# Altium PCB PCB3.PcbDoc (part 1 of 8) (continued)
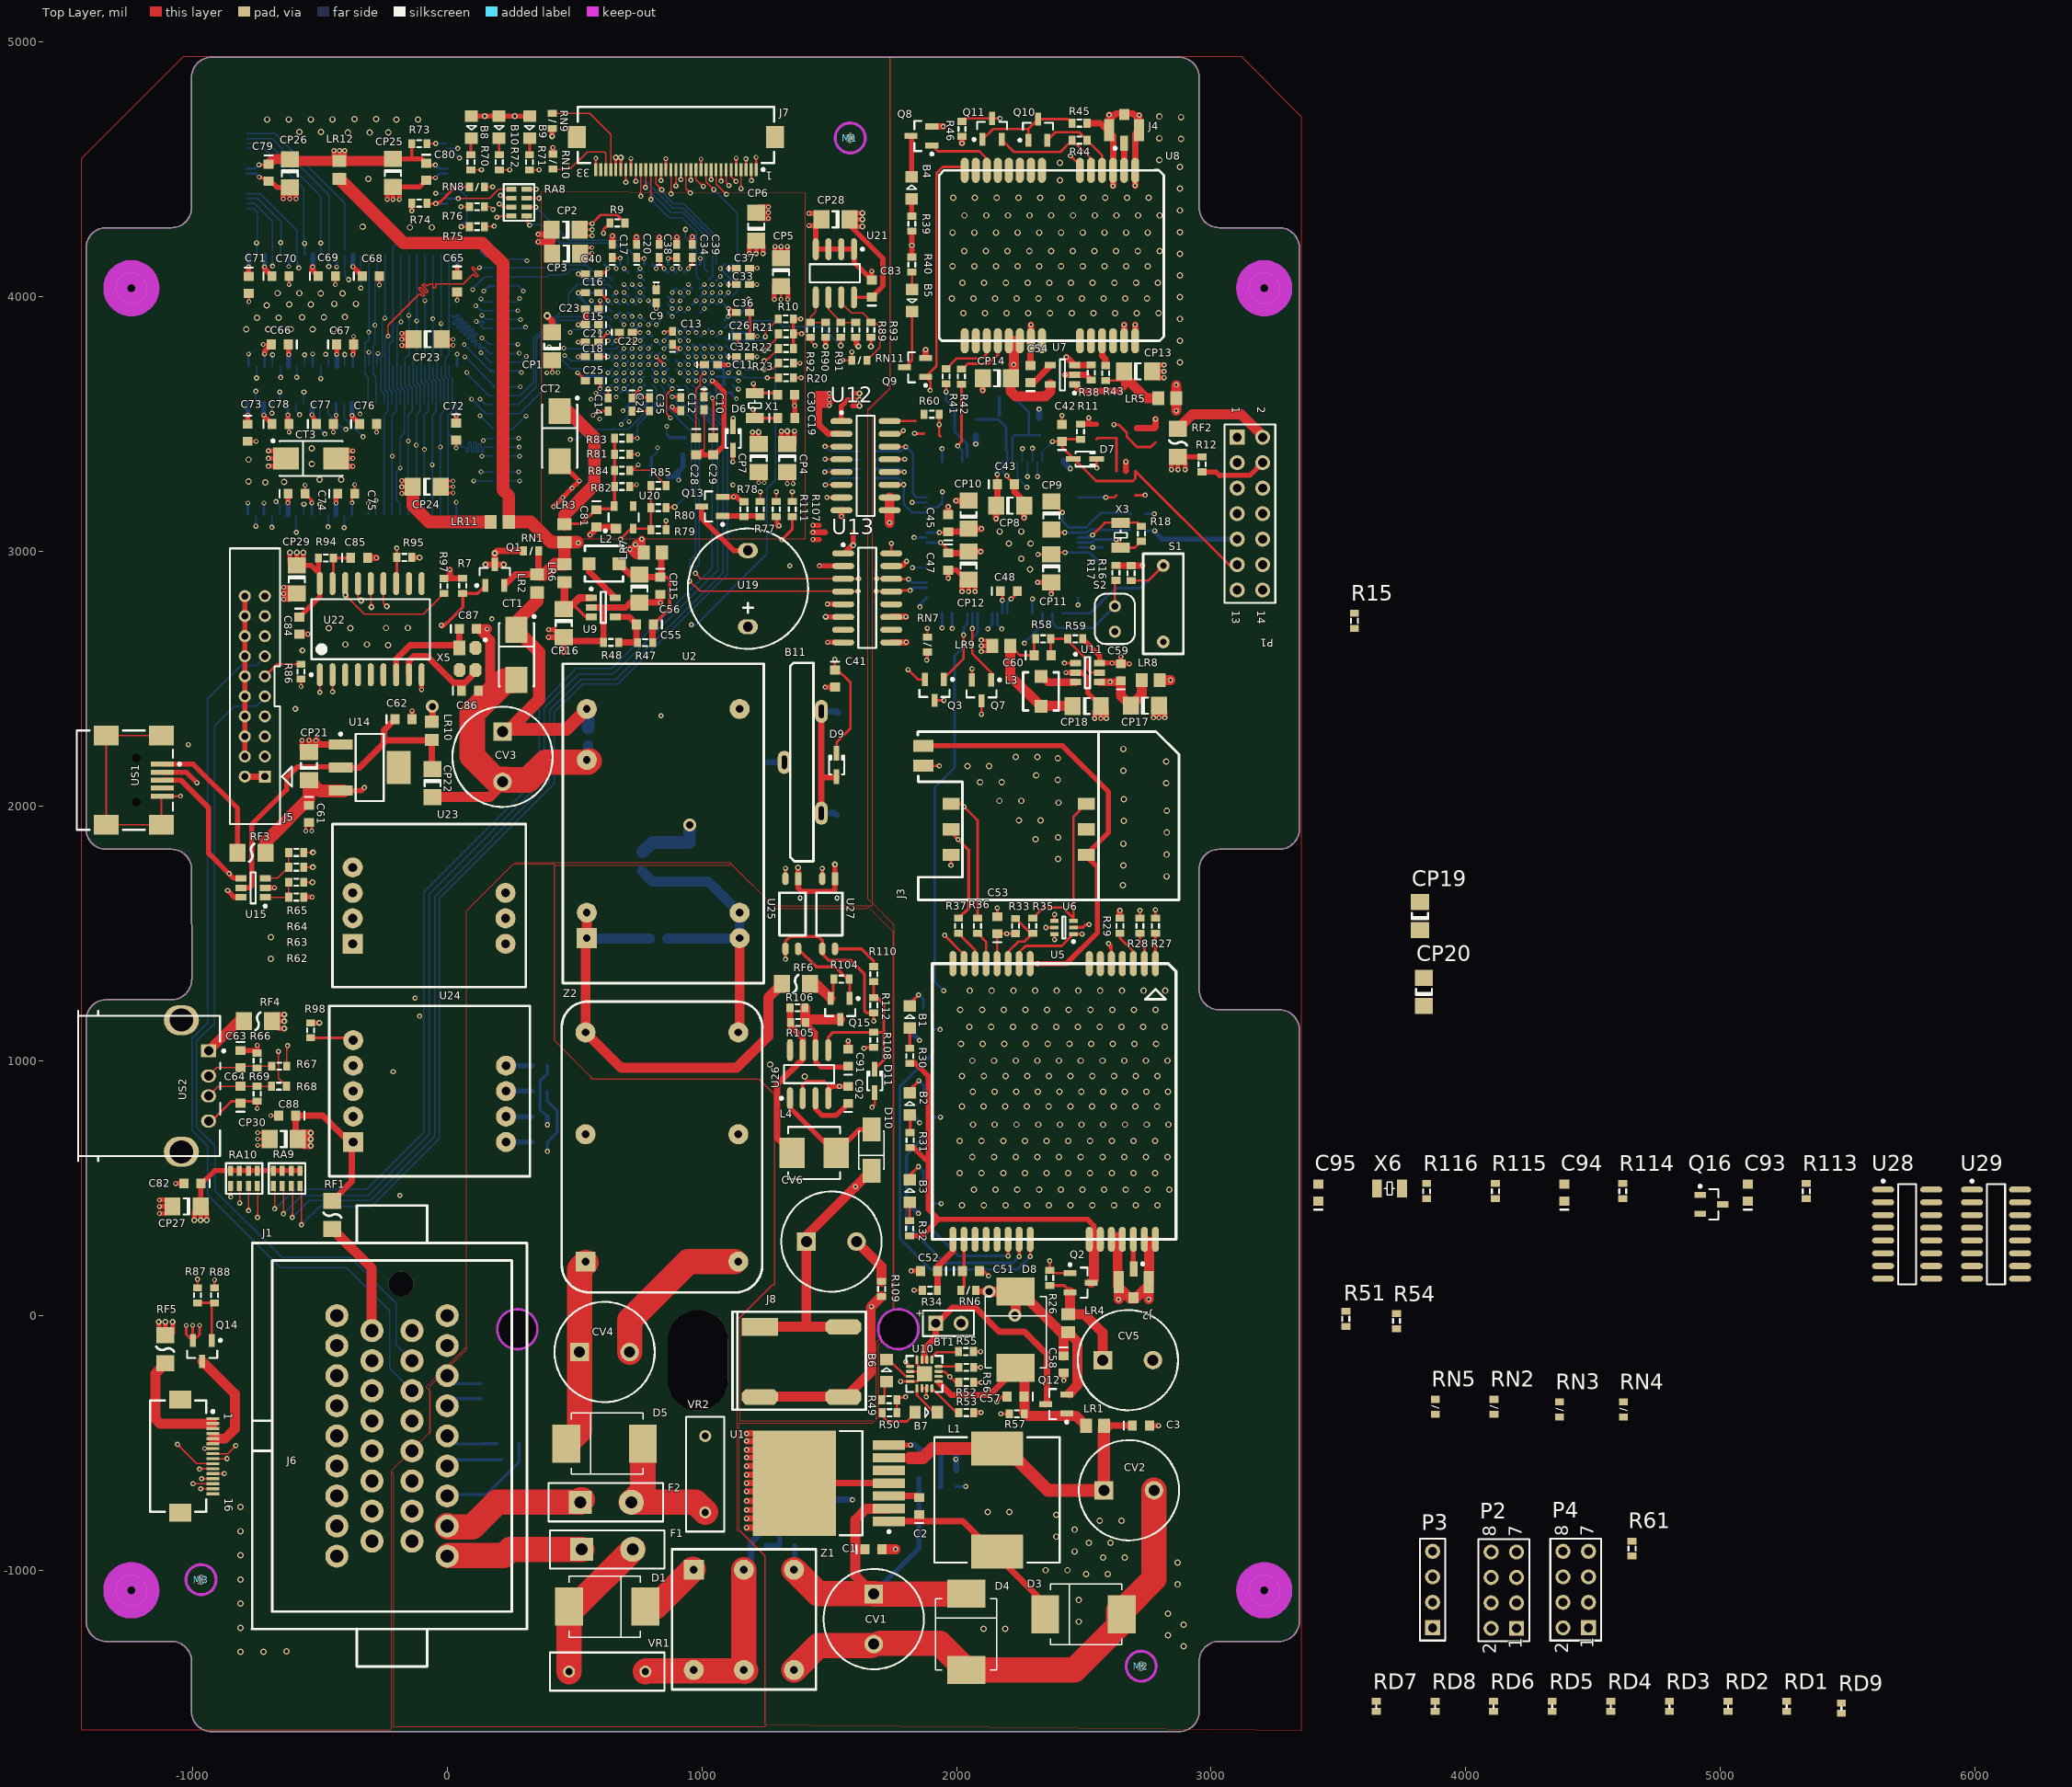
[diagram p0: Top Layer view]
## Components (designator, comment, footprint, x,y, rotation, side; value= is the part's Value field where it differs from the comment) (continued)
R108 "CRCW0603100KFKEA" 1608[0603]R 1675.2,1082.68 r270 top
R109 "CRCW06032R00FKEA" 1608[0603]R 1705.71,104.33 r270 top
R110 "CRCW060351K0FKEA" 1608[0603]R 1675.2,1340.55 r90 top
R111 "CRCW06031K00FKEA" 1608[0603]R 1292.3,3166.77 r270 top
R112 "CRCW06034K70FKEA" 1608[0603]R 1675.2,1218.5 r270 top
R113 "CRCW0603100KFKEA" 1608[0603]R 5337.46,488.59 r90 top
R114 "CRCW0603100KFKEA" 1608[0603]R 4616.46,488.59 r90 top
R115 "CRCW0603100KFKEA" 1608[0603]R 4116.46,488.59 r90 top
R116 "CRCW06031M00FKEA" 1608[0603]R 3846.46,488.59 r90 top
RA1 "CRA06S08322R0JTA" R-AR4 1648.62,3342.52 r270 bottom
RA2 "CRA06S08322R0JTA" R-AR4 212.95,4095.58 r270 bottom
RA3 "CRA06S08322R0JTA" R-AR4 212.95,3928.52 r270 bottom
RA4 "CRA06S08322R0JTA" R-AR4 212.95,3761.46 r270 bottom
RA5 "CRA06S08322R0JTA" R-AR4 212.95,3594.4 r270 bottom
RA6 "CRA06S08322R0JTA" R-AR4 212.95,3427.34 r270 bottom
RA7 "CRA06S08322R0JTA" R-AR4 212.95,3260.28 r270 bottom
RA8 "CRA06S08322R0JTA" R-AR4 282.48,4370.08 r270 top
RA9 "CRA06S08310K0JTA" R-AR4 -629.92,538.39 r180 top
RA10 "CRA06S08310K0JTA" R-AR4 -798.23,538.39 r180 top
RD1 "CRCW06030000ZSTA" 1608[0603]RD 5260.46,-1534.41 r90 top
RD2 "CRCW06030000ZSTA" 1608[0603]RD 5029.46,-1534.41 r90 top
RD3 "CRCW06030000ZSTA" 1608[0603]RD 4799.46,-1534.41 r90 top
RD4 "CRCW06030000ZSTA" 1608[0603]RD 4569.46,-1534.41 r90 top
RD5 "CRCW06030000ZSTA" 1608[0603]RD 4339.46,-1534.41 r90 top
RD6 "CRCW06030000ZSTA" 1608[0603]RD 4109.46,-1534.41 r90 top
RD7 "CRCW06030000ZSTA" 1608[0603]RD 3648.46,-1534.41 r90 top
RD8 "CRCW06030000ZSTA" 1608[0603]RD 3879.46,-1534.41 r90 top
RD9 "CRCW06030000ZSTA" 1608[0603]RD 5475,-1542 r90 top
RF1 "1812L050/30PR" 2012[0805]F -450.79,394.69 r270 top
RF2 "1812L050/30PR" 2012[0805]F 2870.08,3427.17 r270 top
RF3 "1812L050/30PR" 2012[0805]F -767.74,1817.36 r0 top
RF4 "1812L050/30PR" 2012[0805]F -743.11,1155.51 r0 top
RF5 "1812L050/30PR" 2012[0805]F -1107.28,-131.89 r90 top
RF6 "1812L050/30PR" 2012[0805]F 1369.09,1302.17 r0 top
RN1 "CRCW06030000ZSTA" 1608[0603]RN 329.7,3002.4 r180 top
RN2 "CRCW060310K0FKEA" 1608[0603]RN 4110.46,-358.41 r90 top
RN3 "CRCW060310K0FKEA" 1608[0603]RN 4368,-369 r90 top
RN4 "CRCW060310K0FKEA" 1608[0603]RN 4619,-369 r90 top
RN5 "CRCW060310K0FKEA" 1608[0603]RN 3880.46,-358.41 r90 top
RN6 "CRCW060322R0FKEA" 1608[0603]RN 2046.32,99.41 r0 top
RN7 "CRCW060322R0FKEA" 1608[0603]RN 1885.83,2634.84 r90 top
RN8 "CRCW060322R0FKEA" 1608[0603]RN 117.13,4432.09 r0 top
RN9 "CRCW06030000ZSTA" 1608[0603]RN 412.4,4690.94 r90 top
RN10 "CRCW06030000ZSTA" 1608[0603]RN 415.35,4531.5 r90 top
RN11 "CRCW060322R0FKEA" 1608[0603]RN 1618.87,3750.76 r180 top
S1 "SW-420" SW-420 2812.01,2795.28 r270 top
S2 "GM4526" GM4526 2622.05,2785.43 r270 top
U1 "LM2676S-5.0/NOPB" TS7B_N 1498.46,-658.15 r180 top
U2 "PWF2403D-6W" DIP-7(24)W 848.46,1931.85 r90 top
U3 "S3C2440X" BGA289 868.09,3875.44 r270 bottom locked
U4 "MSP430F5438IPZ" TQFP100_N 2180.12,3055.12 r180 bottom
U5 "M72-D" M72D 2383.86,840.55 r270 top
U6 "SMF05CT1G" SOT363-6N 2422.24,1523.62 r180 top
U7 "LP3985IM5-3.3/NOPB" SOT23-5BN 2416.34,3693.9 r180 top
U8 "EB-5662RE" EB-5662RE 2349.41,4162.4 r270 top
U9 "LM3670MF-ADJ/NOPB" SOT23-5BN 613.16,2780.95 r0 top
U10 "BQ24075TRGTT" BQ24073 1874.02,-229.33 r270 top
U11 "LTC3560ES6#TRMPBF" SOT26A-6N 2514.76,2524.61 r0 top
U12 "ADuM5402ARWZ" SOIC16_N 1643,3337 r0 top
U13 "ADuM5201ARWZ" SOIC16_N 1649.61,2817.91 r0 top
U14 "LM1117IMPX-3.3/NOPB" SOT223-4N -304.13,2151.57 r0 top
U15 "USBLC6-2SC6" SOT26A-6N -761.84,1679.57 r180 top
U16 "K4S561632C-TC75 (32MB)" TSOP80P1180X120-54N -370.41,3946.43 r270 bottom
U17 "K4S561632C-TC75 (32MB)" TSOP80P1180X120-54N -373.41,3363.43 r270 bottom
U18 "HY27UF082G2B" TSOP48 -393.24,4494.16 r180 bottom locked
U19 "SD1209T3-A1" SPEAKER 1181.1,2854.33 r90 top
U20 "MAX811LEUS+T" SOT143_N 692.89,3134.29 r90 top
U21 "AT24C64D-SSHM-T" SOIC8_N 1522.39,4092.73 r270 top
U22 "MCP2515-E/SO" SOIC18W_N -300.22,2695.32 r90 top
U23 "CTM1051LA" DIP-7(8)W -70.89,1609.69 r0 top
U24 "RSM485E" DIP-9(10)W -68.92,881.34 r0 top
U25 "TLP291(GB-TP,E)" SSOP4_N 1353.35,1577.76 r270 top
U26 "NCV3063DR2G" SOIC8_N 1421.26,947.83 r90 top
U27 "TLP291(GB-TP,E)" SSOP4_N 1498.03,1577.76 r270 top
U28 "CD4060BM" SOIC16_N 5733.46,319.59 r0 top
U29 "CD4060BM" SOIC16_N 6082.46,319.59 r0 top
US1 "USB-B" USB/SM0.8-6H5 -1427.17,2102.36 r180 top
US2 "USB-A" USB2.5-2H4C -937.01,901.57 r270 top
VR1 "MOV-10D390K" RAD-0.3 628.46,-1398.15 r0 top
VR2 "MOV-10D390K" RAD-0.3 1013.46,-623.15 r90 top
X1 "FC-135 32.7680KA-A" FC-135 1208.64,3573.27 r270 top
X2 "FA-238 16.0000MB-C3" FA-238 833.64,3412.84 r90 bottom
X3 "FC-135 32.7680KA-A" FC-135 2644.69,3063.98 r90 top
X4 "FA-238 16.0000MB-C3" FA-238 2195.87,3491.14 r180 bottom
X5 "FA-238 16.0000MB-C3" FA-238 79.7,2578.19 r270 top
X6 "FC-135 32.7680KA-A" FC-135 3700.46,498.59 r0 top
Z1 "CXDA1-2-100" CXDA1-2-100 968.46,-998.15 r270 top
Z2 "CXDC2-3-100" DIP-6(20)W 843.46,661.85 r0 top

## Footprints (in the part's own frame and the unit in brackets; to place one, negate y for a bottom-side part, rotate by r counter-clockwise, add the part's x,y. Pads: shape width x height; smd on the part's side, far side on the other; paste and mask are expansions set on the pad)
2-6447232-3 [mm]
  round 2.3 hole 1.3: 1(11.982,-5.5) 2(8.982,-5.5) 3(5.982,-5.5) 4(2.982,-5.5) 5(-0.018,-5.5) 6(-3.018,-5.5) 7(-6.018,-5.5) 8(-9.018,-5.5) 9(-12.018,-5.5) 10(10.482,-2) 11(7.482,-2) 12(4.482,-2) 13(1.482,-2) 14(-1.518,-2) 15(-4.518,-2) 16(-7.518,-2) 17(-10.518,-2) 18(10.482,2) 19(7.482,2) 20(4.482,2) 21(1.482,2) 22(-1.518,2) 23(-4.518,2) 24(-7.518,2) 25(-10.518,2) 26(11.982,5.5) 27(8.982,5.5) 28(5.982,5.5) 29(2.982,5.5) 30(-0.018,5.5) 31(-3.018,5.5) 32(-6.018,5.5) 33(-9.018,5.5) 34(-12.018,5.5)
  round 2.5 hole 2.5 unplated: ""(-15.153,0.893)
  silkscreen extent -23,-13.98 23,13.46
0805LED [mil]
  rect 45x50 smd: 1(-43.5,0) 2(43.5,0)
  silkscreen extent -5,-20 10,20, body extent -41,-18 41,18, height 33
1005[0402]C [mm] "Chip Capacitor; Body 1.0 x 0.5 mm (LxW typ)"
  rect 0.9x0.7 smd: 1(-0.65,0) 2(0.65,0)
  silkscreen extent -1.4,-0.25 -1.4,0.25
1608[0603]C [mm]
  rect 0.9x1 smd: 1(-0.85,0) 2(0.85,0)
  silkscreen extent -1.7,-0.4 -1.7,0.4, body extent -1.3,-0.5 1.3,0.5, height 0.89
1608[0603]R [mm] "Chip Resistor, Body 1.6x0.8mm, IPC Medium Density"
  rect 0.7x0.9 smd: 1(-0.75,0) 2(0.75,0)
  silkscreen extent -0.2,-0.35 0.2,0.35, body extent -0.77,-0.42 0.78,0.43, height 0.45
1608[0603]RD [mm] "Chip Resistor, Body 1.6x0.8mm, IPC Medium Density"
  rect 0.7x0.9 smd: 1(-0.508,0) 2(0.508,0)
  silkscreen extent -0.15,0 0.13,0, body extent -0.77,-0.42 0.78,0.43, height 0.45
1608[0603]RN [mm] "Chip Resistor, Body 1.6x0.8mm, IPC Medium Density"
  rect 0.7x0.9 smd: 1(-0.75,0) 2(0.75,0)
  silkscreen extent -0.13,-0.38 0.13,0.38, body extent -0.77,-0.42 0.78,0.43, height 0.45
2012[0805] [mm] "Chip  Body 2.0x1.3mm, IPC Medium Density"
  rect 1.2x1.4 smd: 1(-0.9,0) 2(0.9,0)
  body extent -1.07,-0.7 1.07,0.7, height 0.65
2012[0805]F [mm]
  rect 1.6x1.8 smd: 1(-1.4,0) 2(1.4,0)
  silkscreen extent -0.25,-0.89 0.25,0.89, body extent -2.12,-0.9 2.08,0.9, height 0.63
3216[1206]CB [mm]
  rect 1.6x1.8 smd: 1(-1.4,0) 2(1.4,0)
  silkscreen extent -0.3,-0.8 0.3,0.8, body extent -2.1,-0.9 2.1,0.9, height 0.95
4532[1812]CA [mm] "Chip Capacitor; Body 4.5 x 3.2 mm (LxW typ)"
  rect 1.9x3.4 smd: 1(-1.95,0) 2(1.95,0)
  silkscreen extent -3.49,-1.6 -3.49,1.6
6032[2312]CC [mm]
  rect 2.6x2.2 smd: 1(-2.5,0) 2(2.5,0)
  silkscreen extent -3.92,-1.75 3.15,1.88, body extent -3.13,-1.56 3.05,1.65, height 2.22
BAT-2 [mm] "Battery; 2 Leads"
  rect 1.5x1.5 hole 0.9: 1(-1.27,0)
  round 1.5 hole 0.9: 2(1.27,0)
  silkscreen extent -2.54,-1.27 2.54,1.27
BGA289 [mm] "BGA, 289-Leads, Body 14."
  round 0.4 smd: A1(-6.4,6.4) A2(-5.6,6.4) A3(-4.8,6.4) A4(-4,6.4) A5(-3.2,6.4) A6(-2.4,6.4) A7(-1.6,6.4) A8(-0.8,6.4) A9(0,6.4) A10(0.8,6.4) A11(1.6,6.4) A12(2.4,6.4) A13(3.2,6.4) A14(4,6.4) A15(4.8,6.4) A16(5.6,6.4) A17(6.4,6.4) B1(-6.4,5.6) B2(-5.6,5.6) B3(-4.8,5.6) B4(-4,5.6) B5(-3.2,5.6) B6(-2.4,5.6) B7(-1.6,5.6) B8(-0.8,5.6) B9(0,5.6) B10(0.8,5.6) B11(1.6,5.6) B12(2.4,5.6) B13(3.2,5.6) B14(4,5.6) B15(4.8,5.6) B16(5.6,5.6) B17(6.4,5.6) C1(-6.4,4.8) C2(-5.6,4.8) C3(-4.8,4.8) C4(-4,4.8) C5(-3.2,4.8) C6(-2.4,4.8) C7(-1.6,4.8) C8(-0.8,4.8) C9(0,4.8) C10(0.8,4.8) C11(1.6,4.8) C12(2.4,4.8) C13(3.2,4.8) C14(4,4.8) C15(4.8,4.8) C16(5.6,4.8) C17(6.4,4.8) D1(-6.4,4) D2(-5.6,4) D3(-4.8,4) D4(-4,4) D5(-3.2,4) D6(-2.4,4) D7(-1.6,4) D8(-0.8,4) D9(0,4) D10(0.8,4) D11(1.6,4) D12(2.4,4) D13(3.2,4) D14(4,4) D15(4.8,4) D16(5.6,4) D17(6.4,4) E1(-6.4,3.2) E2(-5.6,3.2) E3(-4.8,3.2) E4(-4,3.2) E5(-3.2,3.2) E6(-2.4,3.2) E7(-1.6,3.2) E8(-0.8,3.2) E9(0,3.2) E10(0.8,3.2) E11(1.6,3.2) E12(2.4,3.2) E13(3.2,3.2) E14(4,3.2) E15(4.8,3.2) E16(5.6,3.2) E17(6.4,3.2) F1(-6.4,2.4) F2(-5.6,2.4) F3(-4.8,2.4) F4(-4,2.4) F5(-3.2,2.4) F6(-2.4,2.4) F7(-1.6,2.4) F8(-0.8,2.4) F9(0,2.4) F10(0.8,2.4) F11(1.6,2.4) F12(2.4,2.4) F13(3.2,2.4) F14(4,2.4) F15(4.8,2.4) F16(5.6,2.4) F17(6.4,2.4) G1(-6.4,1.6) G2(-5.6,1.6) G3(-4.8,1.6) G4(-4,1.6) G5(-3.2,1.6) G6(-2.4,1.6) G7(-1.6,1.6) G8(-0.8,1.6) G9(0,1.6) G10(0.8,1.6) G11(1.6,1.6) G12(2.4,1.6) G13(3.2,1.6) G14(4,1.6) G15(4.8,1.6) G16(5.6,1.6) G17(6.4,1.6) H1(-6.4,0.8) H2(-5.6,0.8) H3(-4.8,0.8) H4(-4,0.8) H5(-3.2,0.8) H6(-2.4,0.8) H7(-1.6,0.8) H8(-0.8,0.8) H9(0,0.8) H10(0.8,0.8) H11(1.6,0.8) H12(2.4,0.8) H13(3.2,0.8) H14(4,0.8) H15(4.8,0.8) H16(5.6,0.8) H17(6.4,0.8) J1(-6.4,0) J2(-5.6,0) J3(-4.8,0) J4(-4,0) J5(-3.2,0) J6(-2.4,0) J7(-1.6,0) J8(-0.8,0) J9(0,0) J10(0.8,0) J11(1.6,0) J12(2.4,0) J13(3.2,0) J14(4,0) J15(4.8,0) J16(5.6,0) J17(6.4,0) K1(-6.4,-0.8) K2(-5.6,-0.8) K3(-4.8,-0.8) K4(-4,-0.8) K5(-3.2,-0.8) K6(-2.4,-0.8) K7(-1.6,-0.8) K8(-0.8,-0.8) K9(0,-0.8) K10(0.8,-0.8) K11(1.6,-0.8) K12(2.4,-0.8) K13(3.2,-0.8) K14(4,-0.8) K15(4.8,-0.8) K16(5.6,-0.8) K17(6.4,-0.8) L1(-6.4,-1.6) L2(-5.6,-1.6) L3(-4.8,-1.6) L4(-4,-1.6) L5(-3.2,-1.6) L6(-2.4,-1.6) L7(-1.6,-1.6) L8(-0.8,-1.6) L9(0,-1.6) L10(0.8,-1.6) L11(1.6,-1.6) L12(2.4,-1.6) L13(3.2,-1.6) L14(4,-1.6) L15(4.8,-1.6) L16(5.6,-1.6) L17(6.4,-1.6) M1(-6.4,-2.4) M2(-5.6,-2.4) M3(-4.8,-2.4) M4(-4,-2.4) M5(-3.2,-2.4) M6(-2.4,-2.4) M7(-1.6,-2.4) M8(-0.8,-2.4) M9(0,-2.4) M10(0.8,-2.4) M11(1.6,-2.4) M12(2.4,-2.4) M13(3.2,-2.4) M14(4,-2.4) M15(4.8,-2.4) M16(5.6,-2.4) M17(6.4,-2.4) N1(-6.4,-3.2) N2(-5.6,-3.2) N3(-4.8,-3.2) N4(-4,-3.2) N5(-3.2,-3.2) N6(-2.4,-3.2) N7(-1.6,-3.2) N8(-0.8,-3.2) N9(0,-3.2) N10(0.8,-3.2) N11(1.6,-3.2) N12(2.4,-3.2) N13(3.2,-3.2) N14(4,-3.2) N15(4.8,-3.2) N16(5.6,-3.2) N17(6.4,-3.2) P1(-6.4,-4) P2(-5.6,-4) P3(-4.8,-4) P4(-4,-4) P5(-3.2,-4) P6(-2.4,-4) P7(-1.6,-4) P8(-0.8,-4) P9(0,-4) P10(0.8,-4) P11(1.6,-4) P12(2.4,-4) P13(3.2,-4) P14(4,-4) P15(4.8,-4) P16(5.6,-4) P17(6.4,-4) R1(-6.4,-4.8) R2(-5.6,-4.8) R3(-4.8,-4.8) R4(-4,-4.8) R5(-3.2,-4.8) R6(-2.4,-4.8) R7(-1.6,-4.8) R8(-0.8,-4.8) R9(0,-4.8) R10(0.8,-4.8) R11(1.6,-4.8) R12(2.4,-4.8) R13(3.2,-4.8) R14(4,-4.8) R15(4.8,-4.8) R16(5.6,-4.8) R17(6.4,-4.8) T1(-6.4,-5.6) T2(-5.6,-5.6) T3(-4.8,-5.6) T4(-4,-5.6) T5(-3.2,-5.6) T6(-2.4,-5.6) T7(-1.6,-5.6) T8(-0.8,-5.6) T9(0,-5.6) T10(0.8,-5.6) T11(1.6,-5.6) T12(2.4,-5.6) T13(3.2,-5.6) T14(4,-5.6) T15(4.8,-5.6) T16(5.6,-5.6) T17(6.4,-5.6) U1(-6.4,-6.4) U2(-5.6,-6.4) U3(-4.8,-6.4) U4(-4,-6.4) U5(-3.2,-6.4) U6(-2.4,-6.4) U7(-1.6,-6.4) U8(-0.8,-6.4) U9(0,-6.4) U10(0.8,-6.4) U11(1.6,-6.4) U12(2.4,-6.4) U13(3.2,-6.4) U14(4,-6.4) U15(4.8,-6.4) U16(5.6,-6.4) U17(6.4,-6.4)
  silkscreen extent -8.02,-7.25 7.25,7.25, body extent -7.25,-7.25 7.25,7.25, height 1.22
BQ24073 [mm]
  oval 0.85x0.3 smd: 1(-1.425,0.75) 2(-1.425,0.25) 3(-1.425,-0.25) 4(-1.425,-0.75) 9(1.425,-0.75) 10(1.425,-0.25) 11(1.425,0.25) 12(1.425,0.75)
  oval 0.3x0.85 smd: 5(-0.75,-1.425) 6(-0.25,-1.425) 7(0.25,-1.425) 8(0.75,-1.425) 13(0.75,1.425) 14(0.25,1.425) 15(-0.25,1.425) 16(-0.75,1.425)
  rect 1.5x1.5 smd: 8(0,0)
  round 0.3 on Top Overlay: 12(-1.27,1.27)
  round 0.25 all layers, no hole: ""(-0.508,0.508) ""(-0.508,-0.508) ""(0,0) ""(0.508,0.508) ""(0.508,-0.508)
  silkscreen extent -1.8,-1.8 1.8,1.8
BR2032-1GV [mm] "CR2032-1GV"
  oval 2.3x1.3 hole 0.5 slot 1.35 at 0 deg: 1(0,0) 1(10.16,0) 2(5.08,3.7)
  rect 1.52x1.524 smd far side: 1(0,-1.524) 1(10.16,-1.524) 2(5.08,5.334)
  silkscreen extent -4.8,0.8 14.99,3.1, body extent -4.93,-0.1 15.09,3.71, height 21.51
CAPPR5-10X20/H1.1 [mm] "Capacitor, Electrolytic, Radial; Body 10 x 20 mm (Dia.xH typ); Pin Spacing 5 mm (typ)"
  rect 1.85x1.85 hole 1.1: 1(-2.5,0)
  round 1.85 hole 1.1: 2(2.5,0)
  silkscreen extent -5,-5 5,5, body extent -5.08,-5.08 5.08,5.05, height 20.32
CXDA1-2-100 [mm]
  rect 2x2 hole 0.762: 1(0,0)
  round 2 hole 0.762: 2(0,5) 3(0,10) 4(10,0) 5(10,5) 6(10,10)
  silkscreen extent -2.03,-2.16 11.94,12.19
DIP-6(20)W [mm]
  rect 2x2 hole 0.762: 1(-7.62,-11.43)
  round 2 hole 0.762: 2(-7.62,1.27) 3(-7.62,11.43) 4(7.62,-11.43) 5(7.62,1.27) 6(7.62,11.43)
  silkscreen extent -10.01,-14.5 10.01,14.51, body extent -10,-14.54 10.12,14.48, height 10
DIP-7(8)W [mm] "DIP; 8 Leads; Row Spacing 15.24 mm; Pitch 2.54 mm"
  rect 2x2 hole 0.889: 1(-7.62,-3.81)
  round 2 hole 0.889: 2(-7.62,-1.27) 3(-7.62,1.27) 4(-7.62,3.81) 6(7.62,1.27) 7(7.62,-1.27) 8(7.62,-3.81)
  silkscreen extent -9.65,-8.13 9.65,8.13, body extent -9.64,-8.12 9.64,8.15, height 7
DIP-7(24)W [mm]
  round 2 hole 0.762: 2(-11.43,-7.62) 3(-8.89,-7.62) 11(11.43,-7.62) 14(11.43,7.62) 16(6.35,7.62) 22(-8.89,7.62)
  rect 2x2 hole 0.762: 23(-11.43,7.62)
  silkscreen extent -15.93,-10.02 15.93,10.02, body extent -15.97,-10.03 15.94,10.05, height 10
DIP-9(10)W [mm] "DIP; 10 Leads; Row Spacing 15.24 mm; Pitch 2.54 mm"
  rect 2x2 hole 0.889: 1(-7.62,-5.08)
  round 2 hole 0.889: 2(-7.62,-2.54) 3(-7.62,0) 4(-7.62,2.54) 5(-7.62,5.08) 7(7.62,2.54) 8(7.62,0) 9(7.62,-2.54) 10(7.62,-5.08)
  silkscreen extent -10,-8.5 10,8.5
DO-214AB/SMC [mil] "DO-214-AB/SMC; 2 C-Bend Leads; Body 7.9 x 5.9 mm, inc. leads (LxW)"
  rect 110x150 smd: 1(-150,0) 2(150,0)
  silkscreen extent -150,-120 130,120, body extent -170,-124 150,124, height 50
DO-214AC/SMA [mm] "DO-214-AC/SMA; 2 C-Bend Leads; Body 5 x 2.7 mm, inc. leads (LxW)"
  rect 2.4x1.8 smd: 1(-2.05,0) 2(2.05,0)
  silkscreen extent -1.91,-1.27 1.91,1.27, body extent -2.6,-1.3 2.6,1.3, height 2.38
EB-5662RE [mm]
  oval 2.5x0.8 smd: 1(8.5,-8.051) 2(8.5,-6.951) 3(8.5,-5.851) 4(8.5,-4.751) 5(8.5,-3.651) 6(8.5,-2.551) 7(8.5,-1.451) 8(8.5,-0.351) 9(8.5,3.449) 10(8.5,4.549) 11(8.5,5.649) 12(8.5,6.749) 13(8.5,7.849) 14(8.5,8.949) 15(-8.5,8.949) 16(-8.5,7.849) 17(-8.5,6.749) 18(-8.5,5.649) 19(-8.5,4.549) 20(-8.5,3.449) 21(-8.5,-0.351) 22(-8.5,-1.451) 23(-8.5,-2.551) 24(-8.5,-3.651) 25(-8.5,-4.751) 26(-8.5,-5.851) 27(-8.5,-6.951) 28(-8.5,-8.051)
  round 1.3 on Top Overlay: 3(5.588,-8.949)
  round 1 on Top Overlay: ""(9.398,-9.33)
  silkscreen extent -8.51,-10.59 8.5,11.81
FA-238 [mm] "Quartz Crystal, SM; Body 3.4 x 2.7 mm (LxW max)"
  rect 1.5x1.2 smd: 1(-1.1,-0.8)
  oct 1.4x1.15 smd: 2(1.1,-0.8) 3(1.1,0.8) 4(-1.1,0.8)
  silkscreen extent -2.03,1.65 -1.78,1.9
FC-135 [mm] "Quartz Crystal, SM; 2 Leads; Body 3.5 x 1.5 x 0.8mm (LxWxH)"
  rect 1x1.8 smd: 1(-1.25,0) 2(1.25,0)
  silkscreen extent -0.51,-0.64 0.51,0.64
FFC/SM0.5-2H16 [mm]
  rect 0.3x1.3 smd: 1(-3.75,1.625) 2(-3.25,1.625) 3(-2.75,1.625) 4(-2.25,1.625) 5(-1.75,1.625) 6(-1.25,1.625) 7(-0.75,1.625) 8(-0.25,1.625) 9(0.25,1.625) 10(0.75,1.625) 11(1.25,1.625) 12(1.75,1.625) 13(2.25,1.625) 14(2.75,1.625) 15(3.25,1.625) 16(3.75,1.625)
  rect 1.8x2.2 smd: 17(-5.65,-1.625) 18(5.65,-1.625)
  silkscreen extent -5.55,-4.62 5.55,1.75, body extent -5.55,-4.62 5.55,0.97, height 2
FFC/SM0.5-2H33 [mm]
  rect 0.3x1.3 smd: 1(-8,1.625) 2(-7.5,1.625) 3(-7,1.625) 4(-6.5,1.625) 5(-6,1.625) 6(-5.5,1.625) 7(-5,1.625) 8(-4.5,1.625) 9(-4,1.625) 10(-3.5,1.625) 11(-3,1.625) 12(-2.5,1.625) 13(-2,1.625) 14(-1.5,1.625) 15(-1,1.625) 16(-0.5,1.625) 17(0,1.625) 18(0.5,1.625) 19(1,1.625) 20(1.5,1.625) 21(2,1.625) 22(2.5,1.625) 23(3,1.625) 24(3.5,1.625) 25(4,1.625) 26(4.5,1.625) 27(5,1.625) 28(5.5,1.625) 29(6,1.625) 30(6.5,1.625) 31(7,1.625) 32(7.5,1.625) 33(8,1.625)
  rect 1.8x2.2 smd: 34(-9.9,-1.625) 35(9.9,-1.625)
  silkscreen extent -9.8,-4.63 9.8,1.75, body extent -9.8,-4.62 9.8,0.97, height 2
FUS-0.2 [mm]
  rect 2.3x2.3 hole 1.2: 1(-2.54,0)
  round 2.5 hole 1.2: 2(2.54,0)
  silkscreen extent -5.71,-1.91 5.71,1.91
GM4526 [mm]
  round 1.2 hole 0.7: 1(0,0) 2(2.54,0)
  silkscreen extent -1.23,-2 3.77,2
HDR1X4 [mm] "Connector; Header; 4 Position"
  rect 1.5x1.5 hole 0.9: 1(0,0)
  round 1.5 hole 0.9: 2(2.54,0) 3(5.08,0) 4(7.62,0)
  silkscreen extent -1.27,-1.27 8.89,1.27
HDR2X4 [mm] "Connector; Header; 4x2 Position"
  rect 1.5x1.5 hole 0.9: 1(0,0)
  round 1.5 hole 0.9: 2(0,2.54) 3(2.54,0) 4(2.54,2.54) 5(5.08,0) 6(5.08,2.54) 7(7.62,0) 8(7.62,2.54)
  silkscreen extent -1.27,-1.27 8.89,3.81
HDR2X7 [mm] "Connector; Header; 7x2 Position"
  rect 1.5x1.5 hole 0.9: 1(0,0)
  round 1.5 hole 0.9: 2(0,2.54) 3(2.54,0) 4(2.54,2.54) 5(5.08,0) 6(5.08,2.54) 7(7.62,0) 8(7.62,2.54) 9(10.16,0) 10(10.16,2.54) 11(12.7,0) 12(12.7,2.54) 13(15.24,0) 14(15.24,2.54)
  silkscreen extent -1.27,-1.27 16.51,3.81
IDC20S [mm]
  rect 1.2x1.2 hole 0.7: 1(0.002,0.017)
  round 1.2 hole 0.7: 2(0.002,-1.983) 3(-1.998,0.017) 4(-1.998,-1.983) 5(-3.998,0.017) 6(-3.998,-1.983) 7(-5.998,0.017) 8(-5.998,-1.983) 9(-7.998,0.017) 10(-7.998,-1.983) 11(-9.998,0.017) 12(-9.998,-1.983) 13(-11.998,0.017) 14(-11.998,-1.983) 15(-13.998,0.017) 16(-13.998,-1.983) 17(-15.998,0.017) 18(-15.998,-1.983) 19(-17.998,0.017) 20(-17.998,-1.983)
  silkscreen extent -22.75,-3.48 4.75,2.72, body extent -18.86,-2.84 0.86,0.88
INDP3232 [mm]
  rect 1.3x1.3 smd: 1(-1.5,0) 2(1.5,0)
  silkscreen extent -1.91,-1.78 1.91,1.78, body extent -2.15,-2.18 2.2,2.18, height 2